# Altium PCB 11BRANMB10H_20170919.pcbdoc (part 3 of 7) (continued)
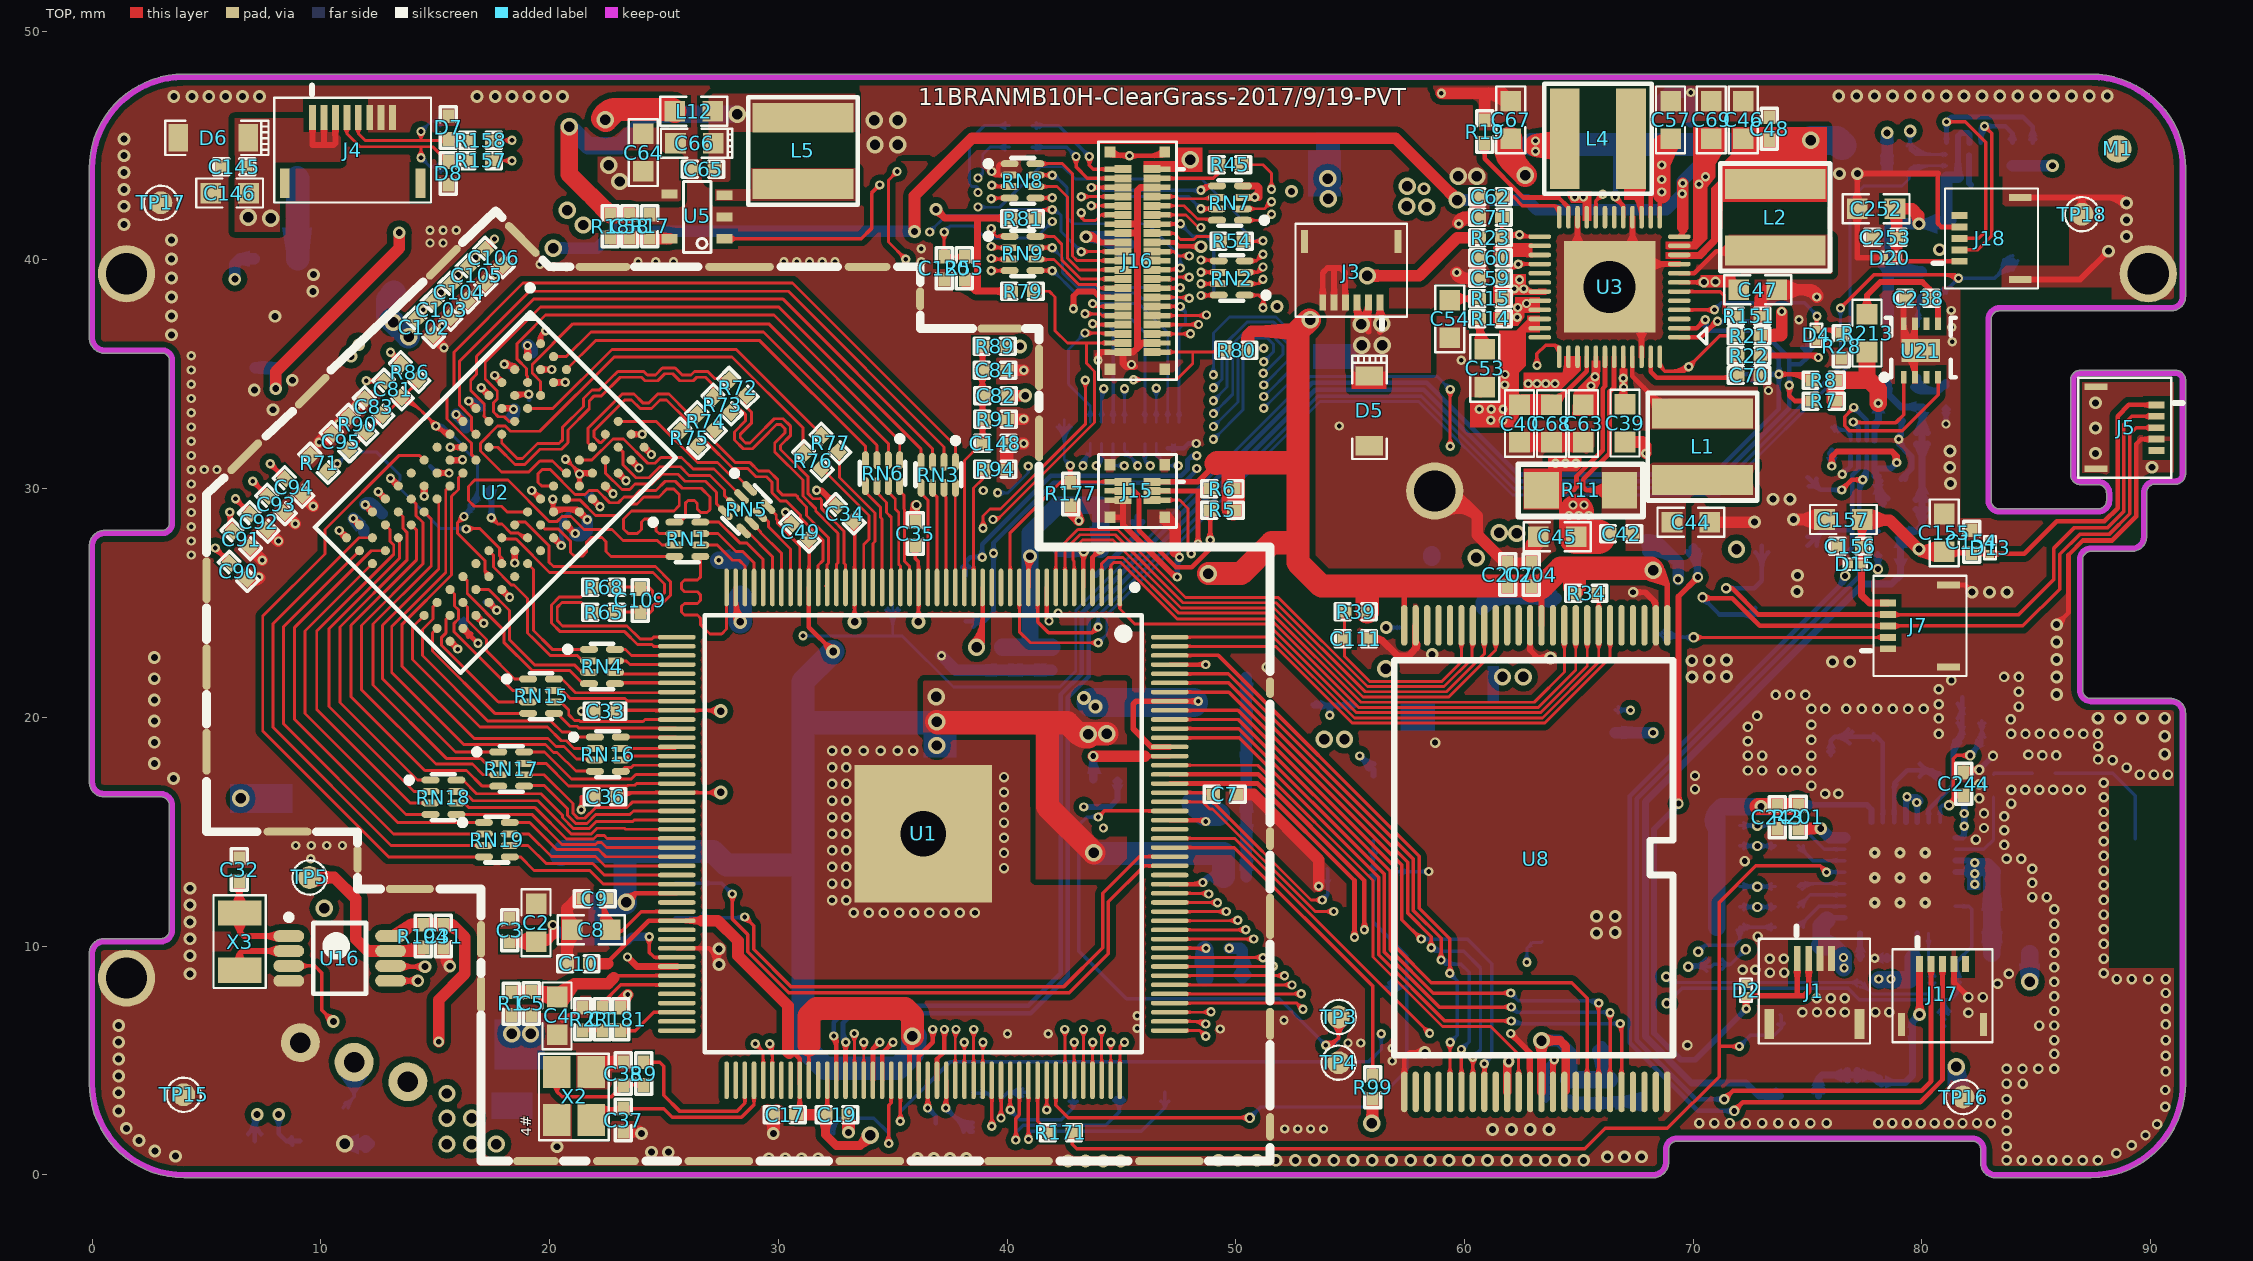
[diagram p0: TOP view]
## Nets (pads, with @x,y where several pads share a name; then routed paths per layer and width w, separated by ;. In a path a pad name is that pad's centre, name@x,y a point inside that pad or via, vN(x,y) a via of type N, cw(c..) or ccw(c..) an arc to the next point about the centre after c; other vN are vias at no path point) (continued)
  BOTTOM w0.508: v4@11.098,1.354 C41.1@12.101,1.354 ; v1@11.914,29.338 cw(c12.071,29.083) 12.282,29.295 ; v1(11.941,29.295) 12.282,29.295 ; v1@11.941,29.346 cw(c11.941,28.644) 12.437,29.14 ; C41.1@11.963,1.215 ccw(c11.628,0.881) 11.628,1.354 ccw(c11.628,1.827) C41.1@11.963,1.493 ; C87.2@12.668,28.91 12.282,29.295 ; v1(15.909,33.246) 16.34,32.815 16.34,32.715 16.34,32.68 C99.2@16.332,32.673 ; C101.2@18.312,33.105 C101.2@18.354,33.147 18.423,33.215 v1(18.423,33.473) ; C101.2@18.327,33.12 ccw(c17.975,33.473) v1@18.473,33.473 ; v1(19.031,36.261) 19.231,36.061 C100.2@19.231,36.005 ; v1@19.064,36.299 cw(c18.751,35.936) C100.2@19.231,35.936 ; v1@21.092,27.998 ccw(c21.286,28.285) C88.2@21.531,28.04 ; v1@21.111,27.99 ccw(c21.226,28.569) C88.2@21.643,28.151 ; C88.2@21.569,28.226 cw(c21.121,28.671) v1(21.121,28.04) C88.2@21.531,28.04 ; v1(21.643,28.644) 21.643,28.193 C88.2@21.644,28.152 ; v1(37.133,22.69) 37.76,22.063 C23.1@39.8,22.063 C21.1@40.943,22.063 C22.1@41.959,22.063 ; v1(49.715,9.902) 50.195,9.902 50.287,9.81 C15.2@50.287,8.606 ; C15.2@50.148,8.745 ccw(c49.814,9.079) 50.287,9.079 ccw(c50.76,9.079) C15.2@50.425,8.745 ; C28.1@50.46,13.038 C30.1@50.46,14.054 C24.1@50.46,15.578 C25.1@50.46,18.741 C26.1@50.46,20.697 C27.1@50.46,21.763 ; R35.2@64.557,3.259 64.676,3.14 C208.1@65.454,3.14 C209.1@66.343,3.14 C209.1@66.399,3.196 ; R35.2@64.604,3.256 ccw(c64.885,3.537) 64.885,3.14 ; C209.1@66.403,3.2 TP24.1@67.5,3.2 ; TP24.1@67.726,3.026 ccw(c67.306,2.606) 67.306,3.2 ccw(c67.306,3.794) TP24.1@67.726,3.374 ; C55.2@68.629,46.757 68.629,47.036 68.921,47.328 ; C55.2@68.812,46.826 cw(c69.256,46.993) 68.921,47.328 ; C56.2@69.899,46.05 69.899,47.324 69.899,47.328 69.895,47.328 68.921,47.328 ; C88.2@21.531,28.04 C88.2@21.643,28.151
  BOTTOM w0.762: v1(27.394,26.871) 28.326,26.871 C142.1@28.354,26.843
  other v1: 52.137,2.006 52.704,2.006 53.272,2.006 53.839,2.006 56.836,4.978 56.836,5.537 54.906,5.766 55.465,5.766 40.021,6.172 41.799,6.172 49.318,6.375 45.686,6.401 52.112,6.756 45.686,6.959 9.55,13.817 8.9,14.402 9.58,14.402 10.259,14.402 10.938,14.402 44.212,15.164 42.231,24.562 4.334,27.102 4.334,27.711 4.334,28.334 4.334,28.958 4.334,29.581 38.955,29.921 4.334,30.204 4.334,30.828 4.893,30.835 5.452,30.835 4.334,31.451 4.334,32.074 4.334,32.697 54.521,32.741 4.334,33.321 4.334,33.944 73.291,34.29 4.334,34.567 4.334,35.191 45.441,35.433 59.859,35.611 4.334,35.814 81.329,36.424 81.304,37.059 74.624,37.389 81.279,37.795 20.177,39.699 20.741,39.697 19.576,39.814 23.867,39.929 24.642,39.929 25.416,39.929 30.242,39.929 30.801,39.929 31.36,39.929 31.919,39.929 32.478,39.929 36.246,39.929 36.246,40.487 14.765,40.741 15.341,40.741 14.765,41.3 15.341,41.3 15.917,41.3 50.825,42.748 69.895,47.324
  other v2: 83.705,0.635 84.37,0.635 85.034,0.635 85.699,0.635 86.364,0.635 87.028,0.635 87.693,0.635 88.506,0.94 83.705,1.245 89.166,1.295 89.776,1.727 83.705,1.93 90.284,2.21 70.269,2.261 70.929,2.261 71.6,2.261 72.305,2.261 73.01,2.261 73.715,2.261 74.421,2.261 75.126,2.261 75.831,2.261 78.092,2.261 78.701,2.261 79.336,2.261 79.946,2.261 80.556,2.261 81.165,2.261 81.775,2.261 82.41,2.261 83.019,2.261 83.705,2.616 90.639,2.972 83.705,3.302 90.639,3.708 83.705,3.988 84.412,3.987 90.665,4.521 83.705,4.639 84.399,4.639 85.094,4.639 85.788,4.639 90.665,5.207 85.788,5.283 69.748,5.664 85.788,5.893 90.665,5.893 85.134,6.527 85.788,6.528 90.665,6.579 82.033,7.086 74.778,7.112 75.413,7.112 76.022,7.112 76.632,7.112 77.965,7.112 78.574,7.112 85.788,7.163 90.665,7.264 75.404,7.721 76.013,7.721 76.623,7.721 82.668,7.772 85.788,7.798 90.665,7.95 83.312,8.356 85.788,8.433 88.519,8.56 89.179,8.56 89.903,8.56 90.665,8.56 83.807,8.788 87.947,8.814 73.353,8.839 73.981,8.839 72.16,8.966 72.719,8.966 85.788,9.068 73.346,9.449 73.956,9.449 87.947,9.455 85.788,9.703 87.947,10.096 85.788,10.338 72.822,10.414 87.947,10.736 85.788,10.973 87.947,11.377 33.299,11.455 33.952,11.455 34.615,11.455 35.278,11.455 35.941,11.455 36.604,11.455 37.267,11.455 37.93,11.455 38.593,11.455 85.788,11.608 32.347,12.008 32.969,12.008 87.947,12.018 84.823,12.141 85.458,12.141 87.947,12.659 32.347,12.734 32.969,12.734 84.823,12.763 87.947,13.3 84.823,13.386 39.865,13.41 32.347,13.46 32.969,13.46 72.254,13.716 83.705,13.818 84.34,13.818 87.947,13.941 39.865,14.073 32.347,14.186 32.969,14.186 83.604,14.427 87.947,14.582 82.359,14.656 39.865,14.736 32.347,14.912 32.969,14.912 83.604,15.062 82.715,15.164 87.947,15.222 39.865,15.399 32.347,15.638 32.969,15.638 83.604,15.672 82.715,15.799 87.947,15.863 39.865,16.061 83.908,16.231 32.347,16.364 32.969,16.364 82.511,16.459 87.947,16.504 75.768,16.662 76.352,16.662 39.865,16.724 83.908,16.84 84.518,16.84 85.128,16.84 85.737,16.84 86.347,16.84 86.956,16.84 70.079,16.865 75.171,17.018 82.511,17.069 32.347,17.09 32.969,17.09 87.947,17.145 39.865,17.387 70.079,17.45 89.535,17.5 90.145,17.5 90.754,17.5 72.39,17.678 73.012,17.678 73.889,17.678 74.498,17.678 75.171,17.678 32.347,17.816 32.969,17.816 88.949,17.805 88.34,18.136 87.705,18.161 72.39,18.33 73.016,18.33 75.171,18.33 85.268,18.339 85.877,18.339 84.658,18.364 32.347,18.542 32.969,18.542 33.729,18.542 34.47,18.542 35.212,18.542 35.89,18.542 87.705,18.745 58.716,18.897 72.39,18.957 75.171,19.015 80.734,19.279 83.897,19.279 84.53,19.279 85.162,19.279 85.795,19.279 87.06,19.279 87.693,19.279 86.428,19.304 72.39,19.583 75.171,19.68 83.883,19.914 80.734,19.958 72.796,20.066 75.171,20.371 75.78,20.371 76.695,20.371 77.371,20.371 78.046,20.371 78.722,20.371 79.398,20.371 80.073,20.371 84.239,20.472 80.733,20.574 73.609,20.98 74.244,20.98 74.905,20.98 84.239,21.12 80.733,21.234 81.292,21.615 83.591,21.768 84.239,21.768 51.359,22.199
  other v3: 42.663,0.609 43.433,0.609 44.204,0.609 44.974,0.609 49.242,0.635 50.082,0.635 50.923,0.635 51.763,0.635 52.604,0.635 53.445,0.635 54.285,0.635 55.126,0.635 55.967,0.635 56.807,0.635 57.648,0.635 58.488,0.635 59.329,0.635 60.17,0.635 61.01,0.635 61.851,0.635 62.691,0.635 63.532,0.635 64.373,0.635 65.213,0.635 29.582,0.704 30.301,0.704 31.021,0.704 31.741,0.704 36.084,0.711 36.796,0.711 37.507,0.711 38.218,0.711 66.243,0.787 66.992,0.787 67.742,0.787 3.638,0.812 24.451,0.99 25.188,0.99 2.734,1.041 20.322,1.226 2.048,1.498 61.226,1.981 62.05,1.981 62.873,1.981 63.697,1.981 1.49,2.032 1.155,2.794 1.155,3.588 1.155,4.325 1.155,5.061 1.155,5.798 1.155,6.534 4.279,8.788 27.407,9.195 4.279,9.582 27.407,9.88 4.279,10.319 65.777,10.566 66.59,10.592 4.279,11.056 65.777,11.303 66.59,11.303 4.279,11.792 4.279,12.529 3.554,17.325 2.716,17.981 90.618,18.389 2.716,18.909 90.618,19.177 2.716,19.837 87.697,19.964 88.671,19.964 89.645,19.964 90.618,19.964 2.716,20.765 85.894,21.006 2.716,21.694 69.943,21.768 70.705,21.768 85.894,21.768 71.462,21.793 76.085,22.428 76.847,22.428 69.938,22.479 70.7,22.479 71.462,22.504 85.894,22.53 2.716,22.622 58.589,22.758 85.894,23.292 82.955,25.476 83.717,25.476 74.536,25.502 74.561,26.213 72.682,28.545 73.494,29.54 74.231,29.54 81.246,30.226 81.22,30.937 90.055,30.937 87.591,31.547 81.228,31.648 87.591,32.652 7.899,33.452 87.591,33.757 7.087,34.315 8.75,34.741 3.471,36.728 7.988,37.535 3.471,37.556 3.471,38.384 9.645,38.63 3.471,39.212 9.67,39.357 3.471,40.04 80.775,40.451 3.471,40.868 88.942,41.021 1.383,41.554 88.942,41.757 1.383,42.348 1.383,43.085 76.4,43.774 1.383,43.822 1.383,44.558 1.383,45.295 3.568,47.143 4.362,47.143 5.099,47.143 5.835,47.143 6.572,47.143 7.309,47.143 16.827,47.143 17.621,47.143 18.358,47.143 19.094,47.143 19.831,47.143 20.567,47.143 76.365,47.168 77.147,47.168 77.93,47.168 78.712,47.168 79.495,47.168 80.278,47.168 81.06,47.168 81.843,47.168 82.625,47.168 83.408,47.168 84.191,47.168 84.973,47.168 85.756,47.168 86.538,47.168 87.321,47.168 88.104,47.168
  other v4: 11.047,1.354
  other v6: 77.943,11.887 79.043,11.887 80.143,11.887 77.943,12.987 79.043,12.987 80.143,12.987 77.943,14.087 79.043,14.087 80.143,14.087
HPBP: C8.2 C9.2 U1.75 | length 10.6
  TOP w0.152: C8.2@22.335,11.163 ccw(c22.97,11.163) C8.2@22.595,10.651 ; 22.335,11.439 cw(c23.047,11.439) C9.2@22.544,11.942 ; 22.335,11.464 ccw(c23.19,11.464) C8.2@22.685,10.774 ; 22.335,11.764 ccw(c23.41,11.764) C8.2@22.775,10.897 ; 22.335,11.806 cw(c22.679,11.806) C9.2@22.436,12.05 ; C9.2@22.335,12.162 C9.2@22.335,12.065 ; C8.2@22.865,11.02 cw(c23.63,12.065) C9.2@22.335,12.065 ; C8.2@22.975,10.544 cw(c23.172,10.44) 23.172,10.664 ; C8.2@22.978,10.55 cw(c23.122,10.477) 23.122,10.638 ; C8.2@22.989,10.575 cw(c23.122,10.52) 23.122,10.664 ; C8.2@23.01,10.795 ccw(c23.172,10.83) 23.172,10.664 ; C8.2@23.016,10.759 ccw(c23.122,10.77) 23.122,10.664 ; C8.2@23.017,10.737 ccw(c23.122,10.742) 23.122,10.638 ; U1.75@25.56,11.508 24.011,11.508 23.172,10.664 ; C9.2@22.335,12.065 22.335,10.765 22.36,10.765 22.487,10.638 22.644,10.638 23.122,10.638 ; 23.122,10.638 23.122,10.664 ; 23.122,10.664 23.172,10.664
HPVCC: C10.2 C15.1 C16.2 C17.2 C18.2 C19.2 C121.2 C122.2 C123.2 C152.2 C154.2 C155.2 C156.1 C157.1 C204.2 C207.2 C208.2 C209.2 C235.1 C240.2 C241.1 C252.2 C253.2 D13.1 D15.1 D20.1 J5.1 J7.5 J15.1 J16.1 J18.1 L12.1 R3.1 R4.1 R5.1 R6.1 R7.1 R8.1 R23.2 R32.1 R34.1 R39.1 R55.2 R79.1 R80.1 R81.1 R99.2 R129.1 R130.1 R131.1 R177.2 R199.1 R213.1 TP12.1 TP23.1 U1.5 U1.76 U1.97 U1.100 U1.142 U1.163 U8.1 U8.12 U8.24 U8.34 U8.37 U8.39 U10.2 U10.3 U10.9 U10.10 U19.1 U20.8 | length 371.3
  TOP w0.152: C17.2@30.702,2.747 ccw(c30.14,3.31) U1.97@30.935,3.31 ; C17.2@30.81,2.639 ccw(c30.508,2.942) 30.935,2.942 ; U1.97@30.915,3.396 cw(c30.79,3.324) 30.929,3.287 ; C17.2@30.935,2.624 U1.97@30.935,3.958 ; U1.142@47.11,9.908 48.261,9.908 48.268,9.902 v1(48.699,9.902) ; v1@48.61,9.812 ccw(c48.393,9.595) 48.393,9.902 ccw(c48.393,10.208) v1@48.61,9.991
  TOP w0.203: 22.528,9.295 24.341,11.108 U1.76@25.56,11.108 26.657,11.108 ; 30.43,5.572 30.935,5.066 U1.97@30.935,4.133 U1.97@30.935,3.958 ; C19.2@32.006,2.729 ccw(c31.694,3.041) 32.135,3.041 ; C19.2@32.135,2.699 U1.100@32.135,4.133 ; 32.135,2.924 ccw(c32.411,2.924) C19.2@32.216,2.729 ; v2@43.266,27.172 cw(c43.1,27.006) 43.335,27.006 ; U1.5@43.335,25.683 v2@43.335,27.241 ; 43.335,26.905 cw(c43.713,26.905) v2@43.446,27.172 ; 46.022,18.308 U1.163@47.11,18.308 ; J16.1@46.335,43.97 J16.1@46.925,43.97 ; D20.1@78.764,40.058 cw(c78.777,39.661) 79.058,39.942 ; 78.9,40.1 79.058,39.942 ; v3@79.844,27.381 v3(79.87,27.356) ; C155.2@80.974,27.241 81.029,27.186 C154.2@82.181,27.186 ; C155.2@81.076,27.344 ccw(c81.458,27.726) 81.458,27.186 ; C155.2@81.22,26.995 cw(c81.681,26.534) 81.681,27.186 ; C155.2@81.22,27.488 ccw(c81.949,28.217) C154.2@81.949,27.186 ; J18.1@81.648,39.942 79.058,39.942 ; C154.2@82.076,27.081 ccw(c81.823,26.828) 81.823,27.186 ccw(c81.823,27.544) C154.2@82.076,27.291 ; C154.2@82.214,27.153 D13.1@82.982,27.153 84.479,27.153 85.901,28.575 87.982,28.575 88.557,29.15 88.557,33.172 89.049,33.664 J5.1@90.263,33.664 ; C154.2@82.286,27.031 cw(c82.58,26.737) 82.58,27.153 ; C154.2@82.286,27.241 ccw(c82.499,27.453) 82.499,27.153 ; D13.1@82.93,27.101 ccw(c82.805,26.976) 82.805,27.153 ccw(c82.805,27.33) D13.1@82.93,27.205 ; D13.1@83.034,27.101 cw(c83.159,26.976) 83.159,27.153 cw(c83.159,27.33) D13.1@83.034,27.205
  TOP w0.254: J15.1@46.335,30.3 J15.1@46.925,30.3 48.352,30.3 49.149,31.097 ; U8.24@57.367,24.024 57.367,25.4 ; C204.2@62.914,25.573 cw(c62.914,25.155) 63.209,25.451 ; C204.2@62.981,25.679 63.367,25.293 U8.12@63.367,24.024 ; v4@68.248,26.183 cw(c68.248,25.57) 68.682,26.003 cw(c69.115,26.437) v4@68.502,26.437 ; v4(68.248,26.437) 68.867,25.818 U8.1@68.867,24.024
  TOP w0.305: v3@36.893,42.088 cw(c36.893,41.781) 37.11,41.998 cw(c37.327,42.215) v3@37.02,42.215 ; v3(36.893,42.215) 37.274,41.834 38.701,41.834 ; R55.2@38.138,38.995 cw(c38.138,38.639) 38.39,38.891 ; R55.2@38.138,39.143 38.647,38.633 R79.1@40.178,38.633 ; 38.701,38.687 38.701,41.834 ; 39.831,41.834 cw(c39.831,41.511) R81.1@40.059,41.739 ; R81.1@40.178,41.808 40.152,41.834 38.701,41.834 ; C157.1@77.183,28.441 cw(c76.734,27.992) 77.369,27.992 ; 77.369,27.874 cw(c78.171,27.874) C157.1@77.604,28.441 ; C157.1@77.369,28.627 77.369,27.483 77.369,26.695 77.369,25.336 77.704,25 J7.5@78.52,25
  TOP w0.381: C19.2@32.061,2.624 32.061,1.756 32.536,1.281 33.581,1.281 v4(34.027,1.727) ; v4@33.837,1.727 cw(c33.377,1.727) 33.702,1.402 cw(c34.027,1.077) v4@34.027,1.536 ; U8.34@61.867,3.624 61.867,4.883 v7(61.937,4.953) ; 61.867,4.63 cw(c62.261,4.63) v7@61.982,4.908 ; v4@63.232,5.736 cw(c62.907,5.411) 63.367,5.411 cw(c63.827,5.411) 63.502,5.736 cw(c63.827,5.411) 63.827,5.871 cw(c63.827,6.331) v4@63.502,6.006 ; U8.37@63.367,3.624 v4(63.367,5.871) 64.173,5.871 64.425,5.619 U8.39@64.425,3.682
  TOP w0.508: C10.2@21.758,9.228 22.528,9.228 ; 26.657,11.108 27.356,11.108 28.236,10.228 28.236,9.571 30.42,7.387 30.42,5.664 ; 30.43,5.572 30.43,5.655 30.42,5.664 ; 30.472,5.313 30.42,5.366 30.42,5.664 ; C17.2@30.775,2.624 30.935,2.624 C19.2@32.061,2.624 ; R177.2@42.782,29.219 ccw(c43.33,29.219) 42.942,28.831 ; R177.2@42.786,29.269 42.786,28.988 v1@43.142,28.632 ; v2(43.772,18.309) 46.022,18.309 ; R80.1@50.525,36.061 50.525,36.721 50.686,36.881 52.718,36.881 ; v4@55.848,39.313 58.026,39.313 59.692,40.978 R23.2@60.636,40.978 ; v4(55.954,2.256) 55.98,2.282 R99.2@55.98,3.331 ; C204.2@62.799,25.496 C204.2@62.981,25.679 ; C157.1@77.443,28.626 78.6,28.626 v3@79.844,27.381 ; C157.1@77.532,28.79 ccw(c77.928,29.186) 77.928,28.626 ; C252.2@78.687,42.103 cw(c78.172,41.588) 78.9,41.588 ; 78.9,40.1 78.9,40.107 C253.2@78.9,40.989 78.9,42.167 C252.2@78.826,42.241 79.576,42.241 ; C252.2@78.964,42.103 cw(c79.299,41.768) 79.299,42.241 cw(c79.299,42.715) C252.2@78.964,42.38 ; v3@79.844,41.58 ccw(c78.927,41.592) 79.576,42.241 ; v3(79.87,27.356) 79.984,27.241 C155.2@80.974,27.241 ; v3(79.87,41.58) 79.87,41.947 79.576,42.241 ; v3@79.888,27.374 ccw(c80.207,27.693) 80.207,27.241 ; C155.2@80.835,27.103 ccw(c80.501,26.768) 80.501,27.241 ccw(c80.501,27.715) C155.2@80.835,27.38
  TOP w0.762: R7.1@76.204,33.833 R8.1@76.204,34.747 77.697,34.747 78.092,34.353 v1(78.092,33.731) ; 77.6,34.798 R213.1@77.6,35.975
  TOP w1.016: v4@22.31,46.186 cw(c22.922,45.913) 22.922,46.583 ; v4@22.337,46.224 cw(c23.202,45.359) 23.202,46.583 ; v4@22.44,46.101 22.45,46.111 22.922,46.583 ; L12.1@25.476,46.501 25.394,46.583 22.922,46.583 ; v4(48.806,26.289) 50.228,26.289 51.574,27.635 52.718,27.635 ; 49.149,31.097 49.185,31.134 49.898,31.134 ; R5.1@49.89,29.127 49.89,29.991 49.89,31.126 49.898,31.134 ; v4@53.212,37.376 52.718,36.881 52.718,31.134 ; R39.1@55.753,24.608 55.753,25.746 ; C204.2@62.906,25.538 ccw(c62.927,26.249) 63.43,25.746 ; C204.2@62.914,25.538 ccw(c62.914,26.282) 63.44,25.756 ; 64.816,25.698 64.816,26.1 ; v4(68.248,26.437) 68.16,26.525 64.209,26.525 63.43,25.746 ; 49.898,31.134 52.718,31.134 ; 52.718,27.635 52.718,31.134 ; 52.718,27.635 52.718,26.772 53.743,25.746 55.753,25.746 ; 55.753,25.746 C207.2@61.898,25.746 C204.2@62.914,25.746 63.43,25.746
  Singal w0.508: v2(43.356,27.262) 43.356,22.135 42.696,21.474 42.696,18.781 43.167,18.309 v2(43.772,18.309)
  Singal w0.762: v4(71.894,27.356) v3(79.87,27.356)
  Singal w1.016: v4@22.44,46.126 24.32,46.126 28.105,42.342 v3@36.766,42.342 ; v3(36.893,42.215) 36.893,43.529 38.881,45.517 48.022,45.517 ; v4@48.022,44.378 48.022,45.517 ; v4@53.302,37.389 54.14,37.389 55.689,38.938 55.689,39.319 55.689,44.069 54.241,45.517 48.022,45.517
  POWER w0.508: v3(78.481,45.559) 78.481,42.968 v3(79.87,41.58) 79.907,41.617 79.907,43.383 80.644,44.12 v3(85.712,44.12)
  POWER w0.762: v1(78.092,33.731) 79.819,33.731 79.87,33.68 ; v3(79.87,27.356) 79.87,33.68 ; v3@79.87,41.605 v3(79.87,41.58) 79.87,33.68
  POWER w1.016: v4(34.027,1.727) 34.027,2.565 35.356,3.894 42.454,3.894 44.088,2.261 49.16,2.261 50.227,3.327 ; v1@43.167,28.441 43.167,27.262 43.167,26.746 44.666,25.247 47.764,25.247 v4(48.806,26.289) ; v1(48.699,9.902) 48.699,9.149 50.279,7.569 50.279,3.38 50.227,3.327 ; v4(63.367,5.871) v4@63.367,6.027 ; v4(71.894,27.356) 69.024,27.356 68.248,26.58 v4(68.248,26.437) v2(68.248,19.325) 68.248,10.624 66.387,8.763 64.358,8.763 63.367,7.772 v4@63.367,6.027 ; 50.227,3.327 53.93,3.327 54.978,2.279 55.954,2.279 59.619,2.279 62.115,4.775 63.289,5.949 v4@63.367,6.027
  BOTTOM w0.254: U20.8@77.931,32.11 77.931,32.877 C241.1@78.1,33.045 ; 77.931,32.462 cw(c78.634,32.462) C241.1@78.137,32.958 ; U10.9@81.576,43.619 U10.2@81.576,45.119 81.576,45.415 81.712,45.551 82.017,45.551 82.076,45.491 U10.3@82.076,45.119
  BOTTOM w0.305: v1(78.092,33.731) 78.1,33.723 C241.1@78.1,33.045
  BOTTOM w0.381: C18.2@43.771,17.293 43.772,17.294 v2(43.772,18.309)
  BOTTOM w0.508: C16.2@42.278,27.265 43.353,27.265 v2(43.356,27.262) ; v4(63.367,5.871) 64.112,5.871 64.692,5.291 64.692,4.283 R32.1@64.557,4.148 ; TP23.1@65.826,5.426 cw(c65.406,5.006) 66,5.006 cw(c66.594,5.006) TP23.1@66.174,5.426 ; 66,4.197 TP23.1@66,5.6 ; 66,5.008 ccw(c67.161,5.008) C209.2@66.34,4.187 ; R131.1@66.597,19.333 68.24,19.333 v2(68.248,19.325) ; TP12.1@78.287,39.848 ccw(c78.984,40.346) 78.984,39.489 ; TP12.1@78.326,39.826 cw(c77.824,39.324) 78.534,39.324 ; TP12.1@78.326,40.174 ccw(c77.824,40.676) 78.534,40.676 ; R129.1@78.481,43.942 R130.1@78.481,44.852 v3(78.481,45.559) ; TP12.1@78.49,39.99 TP12.1@78.5,40 ; TP12.1@78.5,39.754 cw(c78.5,39.16) 78.92,39.58 cw(c79.34,40) TP12.1@78.746,40 ; U19.1@78.534,37.107 C235.1@78.534,38.386 ; 78.534,40.512 ccw(c79.012,40.512) TP12.1@78.674,40.174 ; TP12.1@78.7,40.143 ccw(c79.971,41.051) R199.1@79.971,39.489 79.011,39.489 ; 80.604,41.58 ccw(c80.604,42.125) C152.2@80.989,41.739 ; 81.076,42.198 ccw(c81.725,42.198) C152.2@81.266,41.739 ; U10.9@81.576,43.619 U10.10@81.076,43.619 81.076,42.744 81.076,41.652 C152.2@81.128,41.601 81.107,41.58 v3(79.87,41.58) 78.828,41.58 78.534,41.285 TP12.1@78.534,40 ; R3.1@83.96,44.123 R4.1@84.849,44.123 v3@85.712,44.123 ; TP12.1@78.5,40 TP12.1@78.534,39.966 ; TP12.1@78.5,40 TP12.1@78.534,40 ; C235.1@78.534,38.386 78.534,38.43 C235.1@78.534,38.474 ; C235.1@78.534,38.386 C235.1@78.49,38.43 C235.1@78.534,38.474 ; C235.1@78.534,38.474 78.534,39.472 ; 78.534,39.472 TP12.1@78.534,39.966 ; 78.534,39.472 78.551,39.489 79.011,39.489 ; 78.534,39.488 cw(c79.012,39.488) TP12.1@78.674,39.826 ; 78.534,39.488 cw(c79.012,39.488) TP12.1@78.674,39.826 ; 78.534,39.488 cw(c79.012,39.488) TP12.1@78.674,39.826 ; TP12.1@78.534,39.966 TP12.1@78.534,40 ; TP12.1@78.534,39.966 79.011,39.489 ; TP12.1@78.362,39.797 cw(c78.139,39.471) 78.534,39.471 ccw(c78.139,39.471) TP12.1@78.362,39.797
  BOTTOM w0.762: C15.1@48.636,8.606 v1@48.636,9.838 ; R32.1@64.557,4.148 65.454,4.148 C209.2@66.335,4.148
  other v1: 43.142,28.594
  other v4: 53.251,37.389 55.74,39.319 48.018,44.374 22.426,46.134
IPSOUT: C39.1 C40.2 C47.1 C50.1 C57.1 C64.1 C67.1 C68.1 D18.2 L19.2 TP13.1 U3.7 U3.13 U3.14 U3.21 U3.34 U3.35 U3.40 U3.44 U4.4 U5.4 | length 92.4
  TOP w0.203: v1@61.688,34.609 ccw(c61.488,34.809) v1@61.771,34.809 ; v1@61.698,34.457 cw(c61.587,34.31) 61.771,34.31 ; v1@61.699,34.923 cw(c61.526,34.749) 61.771,34.749 cw(c62.016,34.749) v1@61.843,34.923 ; v1@61.699,35.066 ccw(c61.526,35.24) 61.771,35.24 ccw(c62.016,35.24) v1@61.843,35.066 ; 61.771,34.319 cw(c61.979,34.319) v1@61.832,34.466 ; 61.771,34.756 ccw(c61.979,34.756) v1@61.832,34.609 ; v1@61.862,34.537 ccw(c62.628,34.537) C40.2@62.086,33.995 ; C40.2@62.058,33.676 ccw(c61.216,33.676) 61.811,34.27 ccw(c62.406,34.865) C40.2@62.406,34.024 ; C40.2@62.406,33.676 61.771,34.311 ; U3.35@63.293,37.019 62.632,37.019 62.632,37.013 61.771,36.152 v1(61.771,34.995) 61.771,34.311 ; C68.1@63.803,33.676 63.876,33.676 65.343,35.142 U3.40@65.343,35.769 ; C39.1@66.771,33.939 ccw(c66.356,34.355) v1@66.943,34.355 ; v1@66.869,34.373 cw(c66.643,34.243) 66.895,34.176 ; v1@66.871,34.759 cw(c66.698,34.586) 66.943,34.586 cw(c67.188,34.586) v1@67.015,34.759 ; v1@66.871,34.903 ccw(c66.698,35.076) 66.943,35.076 ccw(c67.188,35.076) v1@67.015,34.903 ; v1@66.885,34.352 cw(c66.745,34.213) 66.943,34.213 ; v1@66.885,34.496 ccw(c66.745,34.636) v1@66.943,34.636 ; v1@66.89,34.744 cw(c66.832,34.65) v1@66.939,34.622 ; 66.901,34.197 cw(c67.123,34.137) v1@67.008,34.336 ; v1@66.906,34.336 cw(c66.807,34.164) 66.999,34.215 ; 66.943,34.145 cw(c67.236,34.145) v1@67.029,34.352 ; v1@66.943,34.424 ccw(c67.438,34.424) C39.1@67.191,33.995 ; v1@66.943,34.703 ccw(c67.236,34.703) v1@67.029,34.496 ; U3.44@66.943,35.769 v1(66.943,34.831) 66.943,33.838 C39.1@67.105,33.676 ; v1@66.967,34.612 cw(c67.105,34.649) v1@67.01,34.755 ; 67.003,34.199 cw(c67.181,34.247) v1@67.037,34.361 ; U3.14@68.143,41.869 68.143,42.905 68.334,43.096 ; v1@68.531,42.944 ccw(c68.334,42.893) 68.334,43.096 ; U3.13@68.543,41.869 68.543,43.096 68.334,43.096 ; 68.543,42.516 cw(c69.082,42.516) v1@68.701,42.897 ; U3.7@69.393,39.019 70.451,39.019 v2(70.467,39.035) v2@70.483,39.051 ; 70.121,39.019 ccw(c70.121,39.382) v2@70.377,39.125 ; 70.2,39.019 cw(c70.2,38.768) v2@70.377,38.946
  TOP w0.508: v1@60.628,33.358 61.509,33.358 ccw(c61.509,32.95) v1@61.104,33.001 ; v1@60.646,33.358 cw(c60.646,32.738) v1@61.2,33.017 ; v1@61.152,33.071 ccw(c60.745,33.348) v1@61.215,33.492 ; v1@61.167,33.358 cw(c61.167,32.717) v1@61.732,33.018 ; 61.517,33.35 C40.2@62.08,33.35 ; v1@61.638,33.007 cw(c62.08,32.894) C40.2@62.08,33.35 ; v1@61.641,33.497 ccw(c62.036,33.324) v1@61.726,33.024 ; v1@61.652,33.441 ccw(c61.872,33.661) 61.872,33.35 ; v1@61.678,33.059 ccw(c61.332,33.326) v1@61.734,33.497 ; v1@61.681,33.427 ccw(c61.789,34.292) C40.2@62.406,33.676 C40.2@62.08,33.35 ; v1@61.688,33.35 ccw(c61.688,33.91) C40.2@62.22,33.736 ; v2@70.467,39.051 70.483,39.051 v2(70.975,39.051) 71.636,39.051 C47.1@71.994,38.692 ; v1@61.131,33.441 ccw(c61.351,33.661) 61.351,33.35 cw(c61.351,33.661) v1@61.131,33.441
  TOP w0.762: v1@68.629,42.842 v1(68.629,42.969) v1(68.629,43.518) v1(68.629,44.153) C57.1@68.629,45.106 ; v1@68.629,44.21 cw(c70.096,44.21) C57.1@69.059,45.248
  TOP w0.889: C40.2@62.406,33.676 C68.1@63.803,33.676
  TOP w1.016: C67.1@61.967,45.297 ccw(c64.127,45.297) v4@62.6,43.769 ; C67.1@61.98,45.334 ccw(c62.544,44.863) 62.025,44.344 ; C67.1@62.025,45.297 62.025,44.344 ; v4(62.66,43.709) 62.025,44.344
  POWER w1.016: v4@60.602,43.768 ccw(c60.259,43.139) 59.753,43.645 v4@59.764,43.656 ; v4@60.604,43.766 ccw(c60.256,43.165) v4@59.764,43.656 ; v1@64.895,42.756 63.995,43.656 v4(60.541,43.656) v4@59.764,43.656
  POWER w2.032: 11.29,36.239 11.29,42.157 12.154,43.021 18.898,43.021 20.016,44.139 v4(22.593,44.139) 31.991,44.139 33.42,45.568 35.217,45.568 35.344,45.568 ; 60.896,34.014 60.896,31.14 62.064,29.972 62.064,28.067 62.064,21.742
  BOTTOM w0.762: L19.2@58.572,27 L19.2@58.572,27.114
  other v1: 61.154,32.994 61.688,32.994 60.646,33.477 61.167,33.477 61.688,33.477 66.957,34.424 61.76,34.537 64.819,42.756 65.2,42.756
  other v3: 11.319,35.788 11.65,36.296
  other v4: 61.662,21.768 62.577,21.768 62.281,28.041 61.519,28.067 23.065,43.431 59.728,43.656 34.226,45.034 35.217,45.034 34.201,46.101 35.217,46.101
JTAG_CLK: TP89.1 U1.113 | length 5.6
  TOP w0.203: v1@37.241,2.993 ccw(c37.013,3.22) 37.335,3.22 ; v1@37.335,2.943 U1.113@37.335,4.133
  BOTTOM w0.203: v1@37.313,2.819 cw(c37.313,2.574) 37.486,2.747 cw(c37.659,2.921) v1@37.414,2.921 ; v1(37.313,2.921) 38.356,1.877 TP89.1@38.5,1.877 ; 37.574,2.659 ccw(c38.5,3.585) TP89.1@38.5,2.276 ; 37.921,2.312 ccw(c38.5,2.891) TP89.1@38.5,2.072 ; 37.922,2.312 cw(c37.487,1.877) TP89.1@38.102,1.877
JTAG_DO: TP85.1 U1.111 | length 2.8
  TOP w0.203: v1@36.453,2.993 ccw(c36.256,3.19) 36.535,3.19 ; v1@36.535,2.931 U1.111@36.535,4.133 ; 36.535,3.142 ccw(c36.747,3.142) v1@36.597,2.993
  BOTTOM w0.203: v1@36.525,2.819 cw(c36.525,2.574) 36.699,2.747 cw(c36.872,2.921) v1@36.627,2.921 ; v1(36.525,2.921) 36.881,2.565 36.881,2.258
LCD-CLK: R54.2 U1.129 | length 62.8
  TOP w0.127: v1@43.648,5.7 cw(c43.436,5.489) 43.735,5.489 ; U1.129@43.735,4.133 v1@43.735,5.788 ; 43.735,5.435 cw(c44.111,5.435) v1@43.845,5.7 ; R54.2@50.322,40.811 51.194,40.811 v1@51.219,40.811 ; R54.2@50.504,40.679 cw(c50.822,40.361) 50.822,40.811 cw(c50.822,41.261) R54.2@50.504,40.943 ; 50.795,40.811 ccw(c50.795,41.235) v1@51.095,40.935 ; 50.918,40.811 cw(c50.918,40.561) v1@51.095,40.738
  Singal w0.127: v1@38.586,42.312 cw(c38.282,42.303) 38.497,42.088 ; v1@38.722,42.177 ccw(c38.713,41.873) 38.497,42.088 ; v1(38.726,42.316) 38.497,42.088 ; v1@43.648,5.898 ccw(c43.409,6.136) 43.746,6.136 ccw(c44.084,6.136) v1@43.845,5.898 ; v1(43.746,5.799) 43.746,6.951 45.448,8.653 45.448,28.218 43.241,30.425 40.897,30.425 38.497,32.825 38.497,42.088
  BOTTOM w0.127: v1(38.726,42.316) 38.739,42.304 39.679,42.304 41.453,44.078 42.447,44.078 42.986,43.538 48.505,43.538 50.225,41.818 50.225,41.43 50.819,40.837 v1(51.194,40.837) v1@51.244,40.837 ; v1@38.825,42.217 cw(c39.033,42.009) 39.033,42.304 ; v1@38.825,42.415 ccw(c39.093,42.684) 39.093,42.304 ; v1@51.095,40.738 ccw(c50.856,40.499) 50.856,40.837 ccw(c50.856,41.174) v1@51.095,40.935